# KiCad board 2026 WRO Hat.kicad_pcb
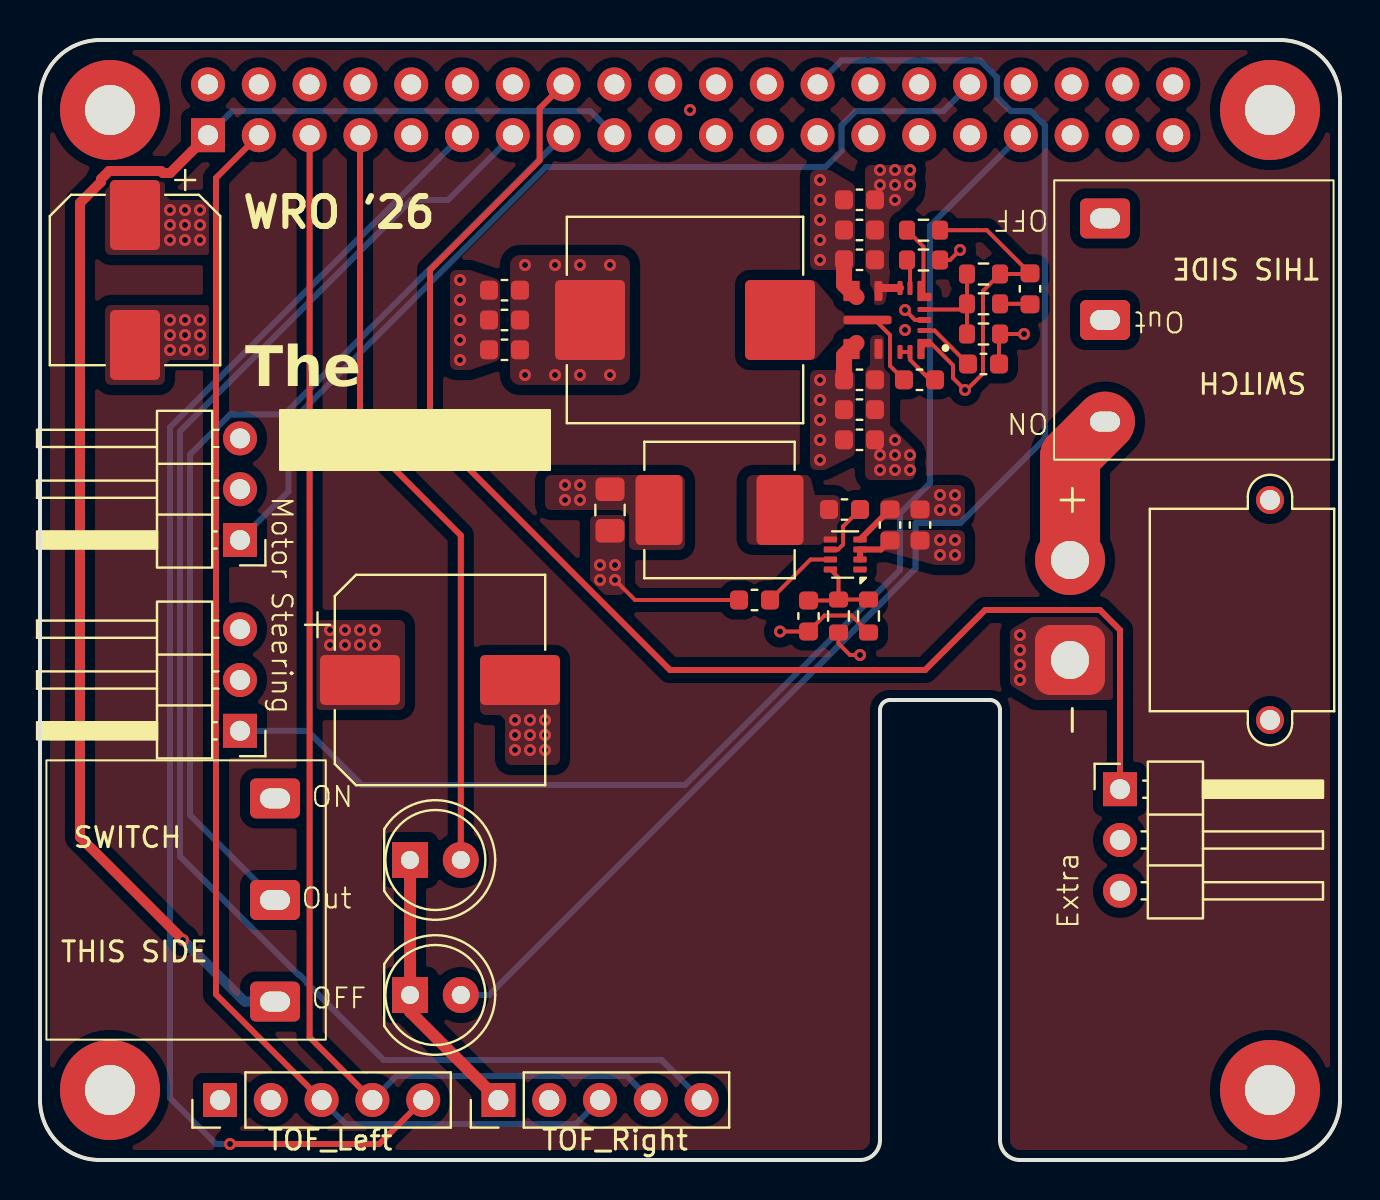
[diagram p0: board, top side]
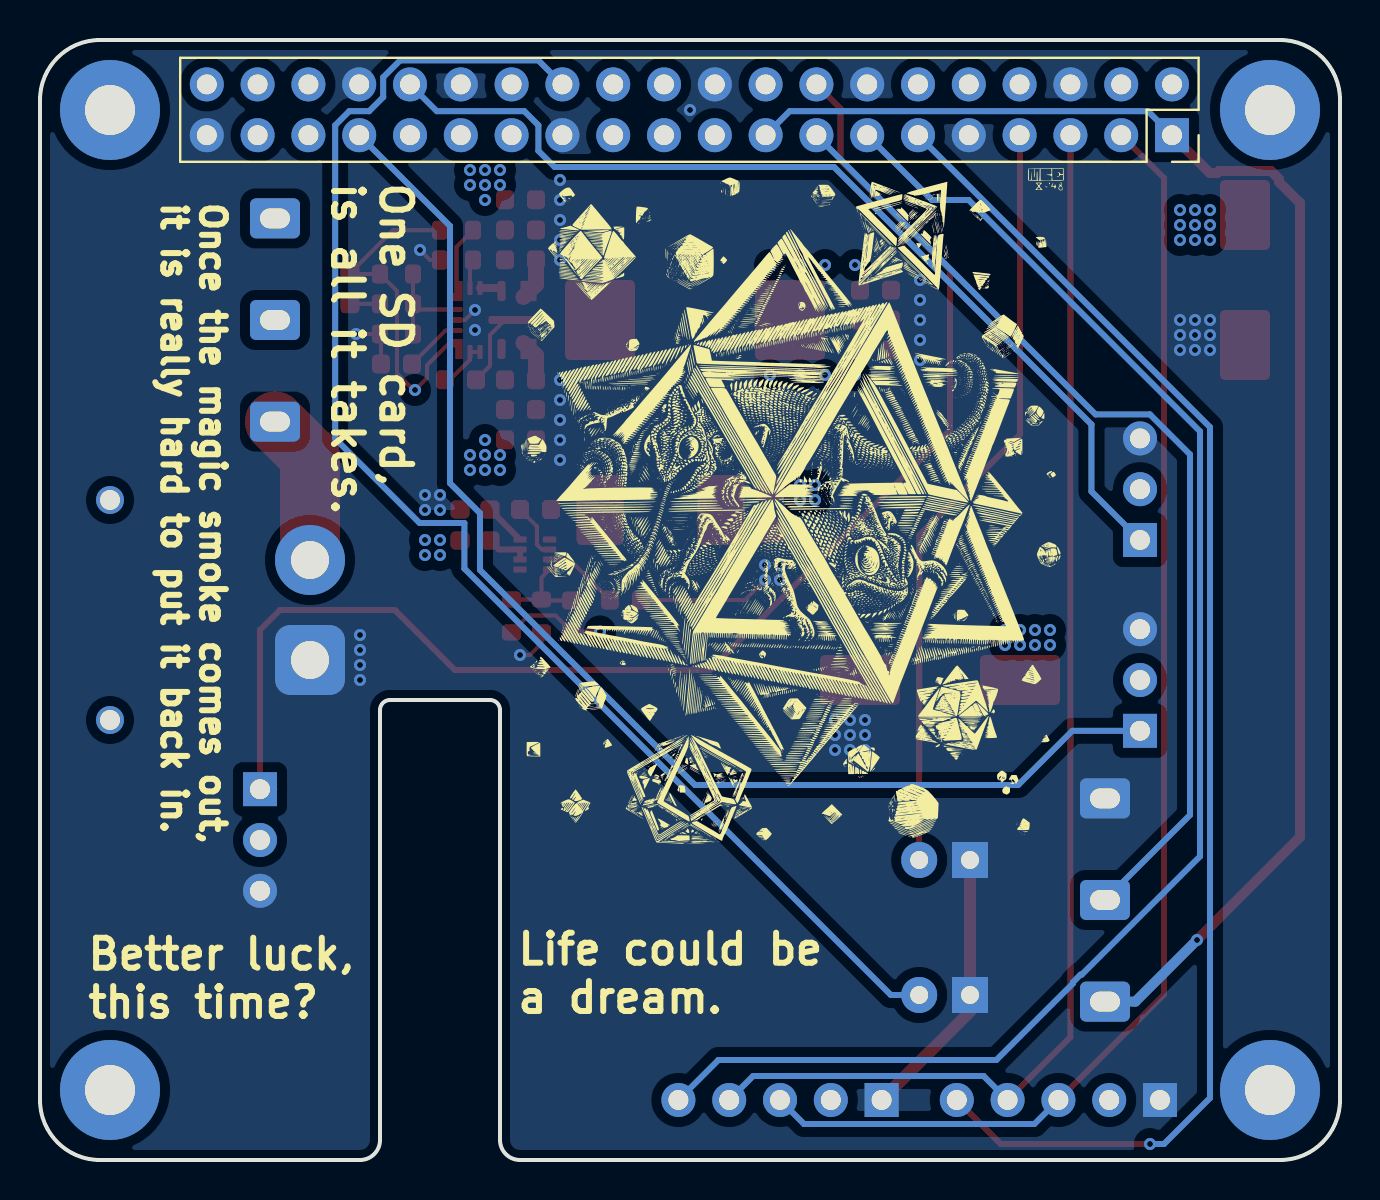
[diagram p1: board, bottom side, seen from below]

Outline 65 x 56 mm; copper layers: Top, In1.Cu, In2.Cu, Bottom. Coordinates in mm from the lower left corner of the outline.
Outline path: 0,53 arc(0.88,55.12) 3,56 62,56 arc(64.12,55.12) 65,53 65,3 arc(64.12,0.88) 62,0 49,0 arc(48.29,0.29) 48,1 48,22.5 arc(47.85,22.85) 47.5,23 42.5,23 arc(42.15,22.85) 42,22.5 42,1 arc(41.71,0.29) 41,0 3,0 arc(0.88,0.88) 0,3 0,53
Stack: Top 0.035mm / dielectric 0.1mm FR4 er 4.5 / In1.Cu 0.035mm / dielectric 1.24mm FR4 er 4.5 / In2.Cu 0.035mm / dielectric 0.1mm FR4 er 4.5 / Bottom 0.035mm

## Placement (name value [footprint] x y rotation side)
C1  4.7u  [C_0603_1608Metric]  40.98 48.01 180 top
C2  4.7u  [C_0603_1608Metric]  40.98 46.5 180 top
C3  4.7u  [C_0603_1608Metric]  40.98 37.52 180 top
C4  4.7u  [C_0603_1608Metric]  40.98 36.01 180 top
C5  47u  [C_0603_1608Metric]  23.23 40.51 180 top
C6  47u  [C_0603_1608Metric]  23.23 42 180 top
C7  47u  [C_0603_1608Metric]  23.23 43.49 180 top
C8  220n  [C_0603_1608Metric]  40.98 45.01 180 top
C9  220n  [C_0603_1608Metric]  40.98 39.01 180 top
C10  1u  [C_0603_1608Metric]  47.17 39.8 180 top
C11  1p  [C_0603_1608Metric]  49.5 43.56 270 top
C12  100n  [C_0603_1608Metric]  43.98 39.01 0 top
C13  10u  [C_0603_1608Metric]  42.5 31.75 90 top
C14  100n  [C_0603_1608Metric]  44 31.75 90 top
C15  33n  [C_0603_1608Metric]  35.73 28 0 top
C16  100n  [C_0603_1608Metric]  40.23 32.52 180 top
C17  12p  [C_0603_1608Metric]  38.42 27.2 90 top
C18  47u  [C_0805_2012Metric_Pad1.18x1.45mm_HandSolder]  28.5 32.5 270 top
C19  220u  [CP_Elec_8x10]  4.75 44 270 top
C20  270u  [CP_Elec_10x10]  20 24 0 top
D1  LED  [LED_D5.0mm]  18.5 8.25 0 top
D2  LED  [LED_D5.0mm]  18.5 15 0 top
G***  LOGO  [Sign]  54.25 7 0 top
H1  MountingHole  [MountingHole_2.5mm_Pad_TopBottom]  3.5 52.5 0 top
H2  MountingHole  [MountingHole_2.5mm_Pad_TopBottom]  61.5 52.5 0 top
H3  MountingHole  [MountingHole_2.5mm_Pad_TopBottom]  3.5 3.5 0 top
H4  MountingHole  [MountingHole_2.5mm_Pad_TopBottom]  61.5 3.5 0 top
J1  Raspberry_Pi_4  [PinSocket_2x20_P2.54mm_Vertical]  8.4 51.24 270 bottom
J2  XT30_Power  [AMASS_XT30PW-M_1x02_P2.50mm_Horizontal]  51.5 25 270 top
J3  TOF_Right  [PinHeader_1x05_P2.54mm_Vertical]  9 3 90 top
J4  TOF_Left  [PinHeader_1x05_P2.54mm_Vertical]  22.92 3 90 top
L1  6.8u  [L_Chilisin_BMRF00101040]  32.25 42 180 top
L2  15u  [L_Chilisin_BMRB00060618]  33.98 32.5 180 top
M1  Throttle  [PinHeader_1x03_P2.54mm_Horizontal]  10 31 180 top
M2  Steering  [PinHeader_1x03_P2.54mm_Horizontal]  10 21.46 180 top
M3  Extra  [PinHeader_1x03_P2.54mm_Horizontal]  54 18.54 0 top
R1  32.4k  [R_0603_1608Metric]  44.17 45 180 top
R2  100k  [R_0603_1608Metric]  47.17 44.3 0 top
R3  1k  [R_0603_1608Metric]  47.17 42.81 0 top
R4  24.3k  [R_0603_1608Metric]  47.17 41.3 0 top
R5  100k  [R_0603_1608Metric]  44.17 46.49 0 top
R6  90.9k  [R_0603_1608Metric]  41.42 27.2 270 top
R7  10k  [R_0603_1608Metric]  39.92 27.2 90 top
REF**  -  [perfume]  34.25 14 0 top
REF**#2  -  [Stars]  27.5 32.5 180 bottom
SW1  POWER  [Switch]  53.25 42 180 top
SW2  Program  [Switch]  11.75 13 0 top
U1  LM61460AFSQRJRRQ1  [IC_LM61460AFSQRJRRQ1]  42.38 42 180 top
U2  TPS62932  [SOT-583-8]  40.26 30.27 180 top

## Library data of the parts
C1-C18 = -: Description: Unpolarized capacitor; KiLib_Generator: SMD_2terminal_chip_molded; ki_fp_filters: C_*
C19 = -: Description: Polarized capacitor; KiLib_Generator: capacitor/SMD/elec_round_polarized; LCSC: C341198; ki_fp_filters: CP_*
C20 = -: Description: Polarized capacitor; KiLib_Generator: capacitor/SMD/elec_round_polarized; LCSC: C251008; ki_fp_filters: CP_*
D1 D2 = -: Description: Light emitting diode; KiLib_Generator: LED/THT; Sim.Pins: 1=K 2=A; ki_fp_filters: LED* LED_SMD:* LED_THT:*
H1-H4 = -: Description: Mounting Hole without connection; KiLib_Generator: mounting_hardware/mounting_hole; ki_fp_filters: MountingHole*
J1 = -: Datasheet: https://datasheets.raspberrypi.com/rpi4/raspberry-pi-4-datasheet.pdf; Description: Raspberry Pi 4 Model B; KiLib_Generator: connector/pin_header_socket; ki_fp_filters: PinHeader*2x20*P2.54mm*Vertical* PinSocket*2x20*P2.54mm*Vertical*
J2 = -: Description: Generic connector, single row, 01x02, script generated; ki_fp_filters: Connector*:*_1x??_*
J3 J4 = -: Description: Generic connector, single row, 01x05, script generated; KiLib_Generator: connector/pin_header_socket; ki_fp_filters: Connector*:*_1x??_*
L1 L2 = -: Description: Inductor; KiLib_Generator: inductor/SMD; ki_fp_filters: Choke_* *Coil* Inductor_* L_*
M1-M3 = -: Datasheet: http://forums.parallax.com/uploads/attachments/46831/74481.png; Description: Servo Motor (Futaba, HiTec, JR connector); KiLib_Generator: connector/pin_header_socket; ki_fp_filters: PinHeader*P2.54mm*
R1-R7 = -: Description: Resistor; KiLib_Generator: SMD_2terminal_chip_molded; ki_fp_filters: R_*
SW1 SW2 = -: Description: Switch, single pole double throw
U1 = -: Description: 3-V to 36-V, 6-A, Low-EMI synchronous step-down converter 14-VQFN-HR -40 to 150; MF: Texas Instruments; MAXIMUM_PACKAGE_HEIGHT: 1mm; PACKAGE: VQFN-HR-14 Texas Instruments; PRICE: None; Package: VQFN-HR-14 Texas Instruments; Check_prices: https://www.snapeda.com/parts/LM61460AFSQRJRRQ1/Texas+Instruments/view-part/?ref=eda; STANDARD: Manufacturer Recommendations; PARTREV: D; SnapEDA_Link: https://www.snapeda.com/parts/LM61460AFSQRJRRQ1/Texas+Instruments/view-part/?ref=snap; TEXAS_INSTRUMENTS-PURCHASE-URL: https://snapeda.com/shop?store=Texas+Instruments&id=4796150; Purchase-URL: https://www.snapeda.com/api/url_track_click_mouser/?unipart_id=4814395&manufacturer=Texas Instruments&part_name=LM61460AFSQRJRRQ1&search_term=None; Price: None; Description_1: Automotive 3-V to 36-V, 6-A, low-noise synchronous step-down converter; Availability: In Stock; AVAILABILITY: Bad; JLC: C2871455
U2 = -: Datasheet: https://www.ti.com/lit/ds/symlink/tps62933.pdf; Description: 3.8-30V, 2A  Synchronous Buck Converters with pulse frequency modulation (PFM), SOT583-8; ki_fp_filters: SOT?583*

## Footprints (pads in the part's own frame, mm; a bottom-side part is the same pattern mirrored in y, then rotated)
AMASS_XT30PW-M_1x02_P2.50mm_Horizontal
  round 1.4 hole 1: (-8,10) (3,10)
  rrect 3.5x3.5 hole 1.9: 1(0,0)
  round 3.5 hole 1.9: 2(-5,0)
C_0603_1608Metric
  rrect 0.9x0.95 smd: 1(-0.775,0) 2(0.775,0)
C_0805_2012Metric_Pad1.18x1.45mm_HandSolder
  rrect 1.175x1.45 smd: 1(-1.038,0) 2(1.038,0)
CP_Elec_8x10
  rrect 3.5x2.5 smd: 1(-3.25,0) 2(3.25,0)
CP_Elec_10x10
  rrect 4x2.5 smd: 1(-4,0) 2(4,0)
IC_LM61460AFSQRJRRQ1
  custom 0.71x1.01 smd: 1(-1.8,1.2) 5(-1.8,-1.2)
  rrect 0.7x0.25 smd: 2(-1.85,0.525) 4(-1.85,-0.525)
  rrect 0.7x0.3 smd: 3(-1.85,0)
  rrect 0.25x0.7 smd: 6(-1.125,-1.6) 7(-0.625,-1.6) 13(-0.625,1.6) 14(-1.125,1.6)
  rrect 0.4x1 smd: 8(0.45,-1.45) 12(0.45,1.45)
  custom 0.81x1.01 smd: 9(1.55,-1.15) 11(1.55,1.15)
  rrect 2.4x0.4 smd: 10(1,0)
L_Chilisin_BMRB00060618
  rrect 2.35x3.5 smd: 1(-3.025,0) 2(3.025,0)
L_Chilisin_BMRF00101040
  rrect 3.5x4 smd: 1(-4.75,0) 2(4.75,0)
LED_D5.0mm
  rect 1.8x1.8 hole 0.9: 1(0,0)
  round 1.8 hole 0.9: 2(2.54,0)
MountingHole_2.5mm_Pad_TopBottom
  round 2.9 hole 2.5: 1(0,0)
  round 5 smd: 1(0,0)
  round 5 smd far side: 1(0,0)
PinHeader_1x03_P2.54mm_Horizontal
  rect 1.7x1.7 hole 1: 1(0,0)
  round 1.7 hole 1: 2(0,-2.54) 3(0,-5.08)
PinHeader_1x05_P2.54mm_Vertical
  rect 1.7x1.7 hole 1: 1(0,0)
  round 1.7 hole 1: 2(0,-2.54) 3(0,-5.08) 4(0,-7.62) 5(0,-10.16)
PinSocket_2x20_P2.54mm_Vertical
  rect 1.7x1.7 hole 1: 1(0,0)
  round 1.7 hole 1: 2(-2.54,0) 3(0,-2.54) 4(-2.54,-2.54) 5(0,-5.08) 6(-2.54,-5.08) 7(0,-7.62) 8(-2.54,-7.62) 9(0,-10.16) 10(-2.54,-10.16) 11(0,-12.7) 12(-2.54,-12.7) 13(0,-15.24) 14(-2.54,-15.24) 15(0,-17.78) 16(-2.54,-17.78) 17(0,-20.32) 18(-2.54,-20.32) 19(0,-22.86) 20(-2.54,-22.86) 21(0,-25.4) 22(-2.54,-25.4) 23(0,-27.94) 24(-2.54,-27.94) 25(0,-30.48) 26(-2.54,-30.48) 27(0,-33.02) 28(-2.54,-33.02) 29(0,-35.56) 30(-2.54,-35.56) 31(0,-38.1) 32(-2.54,-38.1) 33(0,-40.64) 34(-2.54,-40.64) 35(0,-43.18) 36(-2.54,-43.18) 37(0,-45.72) 38(-2.54,-45.72) 39(0,-48.26) 40(-2.54,-48.26)
R_0603_1608Metric
  rrect 0.8x0.95 smd: 1(-0.825,0) 2(0.825,0)
SOT-583-8
  rrect 0.67x0.3 smd: 1(-0.74,0.75) 2(-0.74,0.25) 3(-0.74,-0.25) 4(-0.74,-0.75) 5(0.74,-0.75) 6(0.74,-0.25) 7(0.74,0.25) 8(0.74,0.75)
Switch
  rrect 2.5x2 hole 1.5x1: 1(0,5.08) 2(0,0) 3(0,-5.08)

## Nets
+3V3: J1.1 J1.17 SW2.3
+5V: C5.1 C6.1 C7.1 C11.1 C19.1 J1.2 J1.4 J3.2 J4.2 L1.2 M3.2 R2.2 R5.2 U1.1
+8V: C17.1 C18.1 C20.1 L2.2 M2.2 R6.2
GND: C1.2 C2.2 C3.2 C4.2 C5.2 C6.2 C7.2 C8.2 C9.2 C10.1 C13.2 C14.2 C15.1 C18.2 C19.2 C20.2 D1.1 D2.1 J1.6 J1.9 J1.14 J1.20 J1.25 J1.30 J1.34 J1.39 J2.1 J3.1 J4.1 M1.3 M2.3 M3.3 R1.1 R4.2 R7.1 SW2.1 U1.3 U1.9 U1.11 U2.4
+BATT: C1.1 C2.1 C3.1 C4.1 C8.1 C9.1 C13.1 C14.1 SW1.2 U1.7 U1.8 U1.12 U2.2 U2.3
CRBOOT: C12.2 U1.13 U1.14
SCL: J1.5 J3.4 J4.4
SDA: J1.3 J3.3 J4.3
Servo1: J1.32 M1.1
Servo2: J1.33 M2.1
Servo3: J1.16 M3.1
STAT_LED: D1.2 J1.26
STAT_LED_2: D2.2 J1.7
SW1: J1.15 SW2.2
XSHUT1: J1.11 J3.5
XSHUT2: J1.13 J4.5
Net-(C11-Pad2): C11.2 R3.2
Net-(J2-Pin_2): J2.2 SW1.1
Net-(U1-FB): R2.1 R3.1 R4.1 U1.4
Net-(U1-PGOOD): R5.1 U1.5
Net-(U1-RT): R1.2 U1.6
Net-(U1-SW): C12.1 L1.1 U1.10
Net-(U1-VCC): C10.2 U1.2
Net-(U2-BST): C16.1 U2.6
Net-(U2-FB): C17.2 R6.1 R7.2 U2.8
Net-(U2-SS): C15.2 U2.7
Net-(U2-SW): C16.2 L2.1 U2.5

Pads without a net: H1 1; H2 1; H3 1; H4 1; J1 8 10 12 18 19 21 22 23 24 27 28 29 31 35 36 37 38 40; M1 2; SW1 3; U2 1

## Via types
v1: diameter 0.6, hole 0.3, Top to Bottom, 102 vias

## Routing (per net, layer and track width the routed paths; a pad name or vN(x,y) marks a point on that pad's centre or on a via; arc(x,y) is an arc through that point)
+3V3: length 74.3
  Top w0.3: v1(7.15,11) 7,11
  Top w0.5: J1.1 6.51,49.35 6.15,49.35 6.05,49.45 3.45,49.45 3.05,49.05 3.05,48.91 2,47.86 2,16.15 v1(7.15,11)
  Bottom w0.3: J1.17 27.52,52.44 9.6,52.44 J1.1
  Bottom w0.5: SW2.3 10.23,7.92 v1(7.15,11)
+5V: length 17.1
  Top w0.2: U1.1 44.59,40.8 45.65,39.74 45.65,39.1 v1(46.25,38.5) 46.32,38.5 47.15,39.33 47.15,43.45 R2.2 49.47,44.3 C11.1 47.34,46.49 R5.2
  In2.Cu w0.2: 46.25,38.25 v1(46.25,38.5)
  vias: v1(6.5,47.5) v1(6.5,46.75) v1(6.5,46) v1(7.25,47.5) v1(7.25,46.75) v1(7.25,46) v1(8,47.5) v1(8,46.75) v1(8,46) v1(24.25,44.75) v1(24.25,39.25) v1(25.75,44.75) v1(25.75,39.25) v1(27,44.75) v1(27,39.25) v1(28.5,44.75) v1(28.5,39.25)
+8V: length 5.1
  Top w0.2: v1(37,26.43) C17.1 39.23,27.23 40.58,27.23 R6.2
  vias: v1(14.5,26.5) v1(14.5,25.75) v1(15.25,26.5) v1(15.25,25.75) v1(16,26.5) v1(16,25.75) v1(16.75,26.5) v1(16.75,25.75) v1(26.25,33.75) v1(26.25,33) v1(27,33.75) v1(27,33)
GND: length 33.8
  Top w0.2: v1(46,45.5) 45.5,45 R1.1 ; C10.1 47.95,41.25 R4.2 v1(49.2,41.3) ; R7.1 39.92,25.82 40.5,25.25 v1(41,25.25) ; v1(43.25,42.5) 43.75,42 U1.3 ; C15.1 29.75,28 v1(28.75,29)
  Top w0.3: U2.4 C13.2
  Top w0.6: J4.1 18.5,7.42 D1.1 D2.1
  Top w0.8: U1.9 40.2,43.77 C8.2 ; C9.2 40.2,40.23 U1.11
  vias: v1(6.5,42) v1(6.5,41.25) v1(6.5,40.5) v1(7.25,42) v1(7.25,41.25) v1(7.25,40.5) v1(8,42) v1(8,41.25) v1(8,40.5) v1(21,44) v1(21,43) v1(21,42) v1(21,41) v1(21,40) v1(23.75,22) v1(23.75,21.25) v1(23.75,20.5) v1(24.5,22) v1(24.5,21.25) v1(24.5,20.5) v1(25.25,22) v1(25.25,21.25) v1(25.25,20.5) v1(28,29.75) v1(28,29) v1(28.75,29.75) v1(32.5,52.5) v1(39,49) v1(39,48) v1(39,47) v1(39,46) v1(39,45) v1(39,39) v1(39,38) v1(39,37) v1(39,36) v1(39,35) v1(43.25,41.5) v1(45,33.25) v1(45,32.5) v1(45.75,33.25) v1(45.75,32.5) v1(49,26.25) v1(49,25.5) v1(49,24.75) v1(49,24)
+BATT: length 35.8
  Top w0.2: 42.08,43.6 U1.8
  Top w0.3: U2.2 U2.3 42.05,30.52 C13.1
  Top w0.4: U1.7 42.08,43.6
  In2.Cu w1: v1(42.75,34.5) 42.75,32.5 v1(45,30.25) ; v1(45,30.25) v1(45,31) ; v1(45,30.25) v1(45.75,30.25) v1(45.75,31)
  In2.Cu w1.5: v1(43.5,48.75) 46.5,48.75 SW1.2 46.5,35.25 v1(43.5,35.25)
  vias: v1(42,49.5) v1(42,48.75) v1(42,35.25) v1(42,34.5) v1(42.75,49.5) v1(42.75,48.75) v1(42.75,48) v1(42.75,36) v1(42.75,35.25) v1(43.5,49.5) v1(43.5,34.5)
CRBOOT: length 2.6
  Top w0.2: U1.13 U1.14 43.5,40.01 44.5,39.01 C12.2
SCL: length 64.5
  Top w0.3: J3.4 13.48,6.14 J1.5
  Bottom w0.3: J4.4 29.34,4.2 17.82,4.2 J3.4
SDA: length 66.2
  Top w0.3: J1.3 8.8,49.1 8.8,8.28 J3.3
  Bottom w0.3: J3.3 15.28,1.8 26.8,1.8 J4.3
Servo1: length 48.6
  Bottom w0.3: J1.32 45.16,52.44 40.78,52.44 40.08,51.74 40.08,50.46 39.27,49.65 25.3,49.65 12.43,36.78 12.43,33.43 M1.1
Servo2: length 62.8
  Bottom w0.3: J1.33 44.5,46.7 44.5,33.84 43,32.34 43,29.5 32.25,18.75 16.09,18.75 13.38,21.46 M2.1
Servo3: length 69.8
  Top w0.3: M3.1 54,26.5 53,27.5 47.26,27.5 44.26,24.5 31.5,24.5 19.5,36.5 19.5,44.5 24.98,49.98 24.98,52.58 J1.16
  Bottom w0.3: 53.29,18.54 M3.1
STAT_LED: length 71.5
  Bottom w0.3: D1.2 22.46,8.25 43.78,29.57 43.78,31.85 46.02,31.85 50.24,36.07 50.24,51.74 49.54,52.44 48.54,52.44 47.84,53.14 47.84,54.14 47,54.98 40.08,54.98 J1.26
STAT_LED_2: length 38.3
  Top w0.3: D2.2 21.04,31.23 16,36.27 16,51.22 J1.7
SW1: length 49.3
  Bottom w0.3: J1.15 12.22,37.28 9.5,37.28 7.5,35.28 7.5,17.25 SW2.2
XSHUT1: length 69.3
  Top w0.3: v1(9.5,0.8) 16.96,0.8 J3.5 18.75,3.41
  Bottom w0.3: J1.11 6.5,36.64 6.5,3.1 8.8,0.8 v1(9.5,0.8)
XSHUT2: length 75.2
  Bottom w0.3: J4.5 31.08,5 17.18,5 13.35,8.83 13.35,8.89 12.97,9.27 12.91,9.27 7,15.18 7,36.43 18.57,48 20.4,48 J1.13
Net-(C11-Pad2): length 1.5
  Top w0.2: R3.2 49.48,42.81 C11.2
Net-(J2-Pin_2): length 7.6
  Top w3: J2.2 51.5,35.17 SW1.1
Net-(U1-FB): length 5.2
  Top w0.2: R3.1 R2.1 ; R3.1 46.06,42.52 U1.4 ; R3.1 R4.1
Net-(U1-PGOOD): length 3.6
  Top w0.2: R5.1 44.17,45.66 U1.5
Net-(U1-RT): length 1.5
  Top w0.2: U1.6 43.5,44.85 R1.2
Net-(U1-SW): length 4
  Top w0.2: U1.10 41.75,42 42.5,41.25 42.5,39.71 C12.1
Net-(U1-VCC): length 2.9
  Top w0.2: C10.2 44.73,41.48 U1.2
Net-(U2-BST): length 2.8
  Top w0.2: C16.1 40.16,31.68 40.16,30.78 39.9,30.52 U2.6
Net-(U2-FB): length 4.9
  Top w0.2: U2.8 39.92,29.12 R7.2 ; 41.42,28.25 R6.1 R7.2 ; R7.2 39.88,27.98 38.42,27.98
Net-(U2-SS): length 3.9
  Top w0.2: U2.7 38.52,30.02 C15.2

## Copper pours and planes (outline as drawn; the poured copper is in the pictures)
+5V on Top: 23.5,45.25 23.5,38.75 29.5,38.75 29.5,45.25
+5V on Top: 3.25,45.25 3.25,49.25 6.25,49.25 6.25,48.25 6.5,48 8.75,48 8.75,45.25
+5V on In2.Cu: -3,59 68,59 68,-3 -3,-3
+8V on Top: 32.25,30.5 32.25,34.25 25.25,34.25 25.25,32.5 29,32.5 29.5,30.5
+8V on Top: 13.75,22.5 13.75,27 18.25,27 18.25,22.5
+8V on In2.Cu: 32.5,36.65 30.75,36.65 13.75,27.4 13.75,25.15 8.75,25.15 8.75,22.65 18,22.65 20.43,25.53 37.5,25.5 37.5,27.4 32.5,30.9
GND on Top: 53.75,27.25 53.75,23 49.75,23 48.5,23.75 48.5,26.5 49.75,27.25
GND on Top: 44.75,33.75 42,33 42,32 46.25,32 46.25,33.75
GND on Top: 22,25.25 26,25.25 26,19.75 23.25,19.75 23.25,22 23,22.25 22,22.25
GND on Top: 38.5,44.5 40.75,44.5 40.75,48.75 39.5,49.5 38.5,49.5
GND on Top: 3.25,38.75 3.25,42.75 8.75,42.75 8.75,40 6.5,40 6.25,39.75 6.25,38.75
GND on Top: 29.25,32.25 27.5,32.25 27.5,28.25 29.25,28.25
GND on Top: 38.5,39.5 40.75,39.5 40.75,35.25 39.25,34.5 38.5,34.5
GND on Top: 20.5,44.5 21.5,44.5 23,44 23,40 21.5,39.5 20.5,39.5
GND on Bottom: -1,57 66,57 66,-1 -1,-1
GND on In1.Cu: -2,58 67,58 67,-2 -2,-2
(no net) on Top: -4,60 69,60 69,-4 -4,-4
+BATT on Top: 41.25,49.75 43.75,49.75 43.75,48.25 42.5,47 42.5,44.25 42.25,42.75 41.5,42.75 41.5,44.25 41.25,44.5
+BATT on Top: 41.5,41.25 41.5,39.75 41.25,39.5 41.25,34 43.75,34 43.75,35.5 42.5,36.75 42.5,39.75 42.25,41.25
+BATT on Top: 46.25,31.5 42,31.5 42,30.5 44.75,29.75 46.25,29.75
+BATT on In2.Cu: 41.75,50 43.75,50 43.75,48 42.75,47 41.75,47
+BATT on In2.Cu: 43.75,34 43.75,36 42.5,37 41.25,37 41.25,34
Net-(U1-SW) on Top: 35.25,40 38.75,40 40.25,41.75 42.75,41.75 42.75,42.25 40.25,42.25 38.75,44 35.25,44
Net-(U2-SW) on Top: 39.75,30.75 40,31 40,33.25 38.75,33.25 38.5,34.25 35.34,34.25 35.33,30.76

## Text on the board
B.Mask: Nature is pleased with simplicity. / And nature is no dummy.
B.Silkscreen: Once the magic smoke comes out, / it is really hard to put it back in. | Life could be / a dream. | Better luck, / this time? | One SD card, / is all it takes.
F.Silkscreen: Extra | Motor | Steering | WRO '26 | The
